# KiCad board chastity.kicad_pcb (continued)
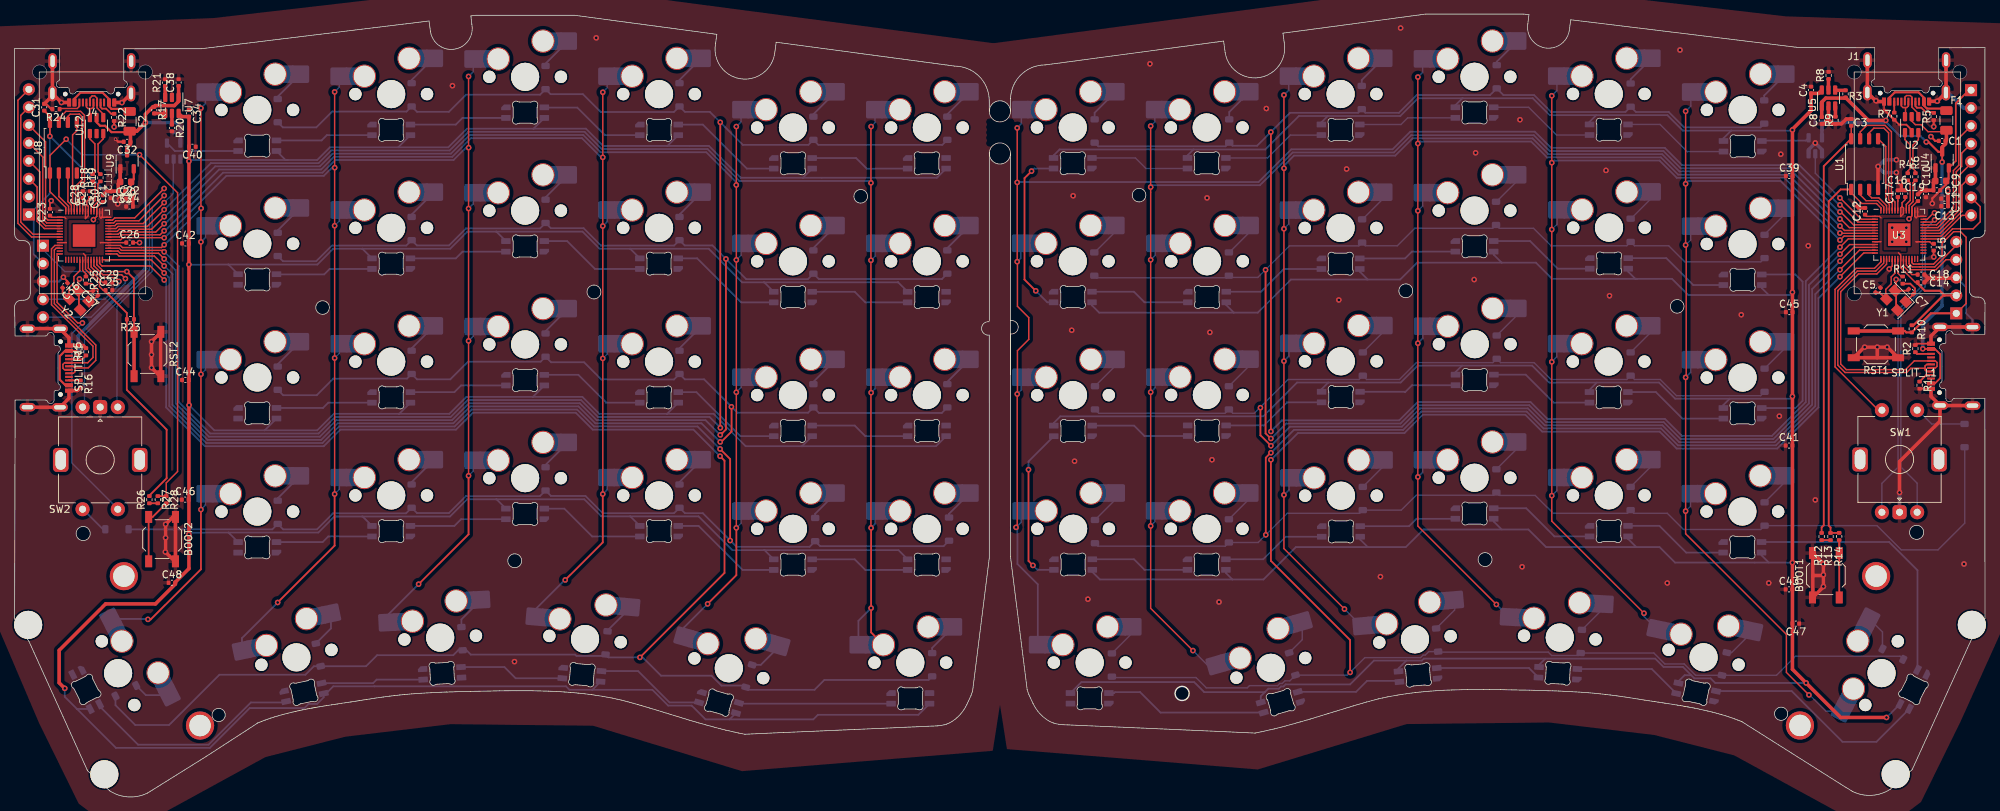
[diagram p0: board, top side]
## Routing (per net, layer and track width the routed paths; a pad name or vN(x,y) marks a point on that pad's centre or on a via; arc(x,y) is an arc through that point) (continued)
Q_CLK: length 17
  Top w0.2: U8.6 7.56,96.66 7.88,96.99 9.2,96.99 9.52,96.66 9.52,87.61 8.66,86.75 8.66,84.6 8.86,84.4 U10.52
Q_CLK_L: length 15.4
  Top w0.2: 263.12,93.49 263.12,94.33 263.78,94.99 265.22,94.99 265.88,94.33 265.88,84.84 266.39,84.33 U3.52
Q_IO0: length 13
  Top w0.2: U10.53 8.46,84.23 8.23,84.46 8.23,94.03 8.83,94.63 U8.5
Q_IO0_L: length 10.9
  Top w0.2: U3.53 265.99,84.17 265.48,84.67 265.48,92.4 U1.5
Q_IO1: length 6
  Top w0.2: U10.55 7.66,83.9 6.28,85.28 6.28,88.62 U8.2
Q_IO1_L: length 5.3
  Top w0.2: U1.2 261.85,85.53 262.68,84.69 264.33,84.69 265.19,83.84 U3.55
Q_IO2: length 5.7
  Top w0.2: U8.3 7.56,84.57 8.06,84.07 U10.54
Q_IO2_L: length 4.6
  Top w0.2: U3.54 265.59,84 264.5,85.09 263.48,85.09 263.12,85.46 263.12,86.29
Q_IO3: length 18.9
  Top w0.2: U10.51 9.26,84.57 9.06,84.76 9.06,86.58 9.92,87.44 9.92,96.83 9.36,97.39 7.28,97.39 6.29,96.39 U8.7
Q_IO3_L: length 17.6
  Top w0.2: U1.7 261.85,94.46 262.78,95.39 265.38,95.39 266.28,94.49 266.28,85.01 266.79,84.5 U3.51
Q_SEL: length 76
  Top w0.2: R28.1 21.52,44.63 23.12,46.23 23.12,85.83 v1(17.72,91.23) ; v1(7.32,93.43) 5.02,91.12 U8.1 5.02,85.98 7.26,83.74 U10.56
  Top w0.25: R27.1 R28.1
  Bottom w0.2: v1(7.32,93.43) 9.52,91.23 v1(17.72,91.23)
Q_SEL_L: length 58.3
  Top w0.2: U1.1 260.58,85.8 262.08,84.29 264.17,84.29 264.79,83.67 U3.56
  Top w0.25: R14.1 258.86,37.5 R13.1 257.64,38.28 257.38,38.54 257.38,84.59 259.08,86.29 U1.1
RESET: length 34.4
  Top w0.2: v1(15.92,74.63) 12.64,74.63 11.66,75.6 U10.26
  Top w0.25: RST2.2 16.95,67.2 16.95,67.2 R23.1 16.92,67.87 16.92,73.63 v1(15.92,74.63)
  Top w0.5: RST2.2 RST2.2
  Bottom w0.2: v1(15.92,74.63) 7.12,74.63 4.02,77.73 J5.1
RESET_L: length 38.7
  Top w0.2: U3.26 269.19,75.9 269.4,75.69 270.19,75.69 270.19,75.69 272.27,75.69 273.48,76.9 273.48,78.69 273.65,78.87 273.68,78.87 275.11,80.29 276.08,80.29 276.88,79.49 276.88,70.09 J2.1
  Top w0.3: RST1.1 268.18,66.19 268.39,65.98 R10.1 271.88,68.69 J2.1
  Top w0.5: RST1.1 RST1.1
rot A: length 42.4
  Top w0.2: U10.40 14.06,81.54 14.36,81.84 17.65,81.84 21.22,85.42 v1(21.22,85.43)
  Bottom w0.2: SW2.A 14.52,55.5 14.52,69.68 19.52,74.68 19.52,83.73 v1(21.22,85.43)
rot A_L: length 47.6
  Top w0.2: v1(272.4,82.97) 272.27,82.97 271.36,82.07 U3.41
  Bottom w0.2: v1(272.4,82.97) 272.26,82.97 270.68,81.39 270.68,72.66 267.23,69.2 267.23,46.84 264.93,44.54 SW1.A
rot B: length 45.6
  Top w0.2: U10.41 13.89,81.94 14.19,82.24 17.04,82.24 v1(21.22,86.43)
  Bottom w0.2: v1(21.22,86.43) 19.12,84.33 19.12,74.85 9.92,65.65 9.92,55.65 SW2.B
rot B_L: length 46.2
  Top w0.2: v1(272.4,81.97) 272.4,81.96 272.1,81.67 U3.40
  Bottom w0.2: SW1.B 269.93,44.56 267.63,46.87 267.63,69.04 271.08,72.49 271.08,80.64 272.4,81.95 v1(272.4,81.97)
row 0: length 259
  Top w0.2: v1(21.22,77.43) 21.01,77.64 21,77.64 15.14,77.64 14.84,77.94 U10.31
  Top w0.25: v1(100.14,52.44) 100.12,52.45 v1(100.12,95.83)
  Bottom w0.25: v1(100.14,52.44) 98.6,53.98 82.77,53.98 80.37,56.38 64.27,56.38 61.87,53.98 45.47,53.98 43.12,51.63 27.76,51.63 23.3,56.09 23.3,75.38 21.25,77.43 v1(21.22,77.43) ; D36.1 131.63,92.63 114.04,92.63 D35.1 112.63,92.63 103.32,92.63 v1(100.12,95.83) 98.64,97.31 95.11,97.31 D34.1 93.54,97.29 83.16,97.29 80.62,99.83 76.04,99.83 D33.1 74.56,99.76 64.05,99.76 61.61,97.32 57.1,97.32 D32.1 55.6,97.35 45.05,97.35 42.8,95.11 38.06,95.11 D31.1
row 0_L: length 256.2
  Top w0.2: v1(258.98,78.1) 260.15,79.27 U3.9
  Top w0.25: v1(178.23,94.44) 178.25,94.43 v1(178.25,51.92)
  Bottom w0.25: D6.1 247.69,95.1 236.88,95.1 234.68,97.29 230.03,97.29 D5.1 228.53,97.29 217.98,97.29 215.58,99.69 211.23,99.69 D4.1 209.33,99.69 198.93,99.69 196.41,97.17 191.65,97.17 D3.1 190.61,97.17 180.96,97.17 176.28,92.49 172.78,92.49 D2.1 171.81,92.42 153.76,92.42 D1.1 ; v1(178.25,51.92) 179.82,53.49 196.45,53.49 199.05,56.09 215.08,56.09 217.48,53.69 234.16,53.69 236.56,51.29 249.34,51.29 254.13,56.09 254.13,73.27 258.96,78.1 v1(258.98,78.1)
row 1: length 241.1
  Top w0.2: v1(21.22,76.43) 20.42,77.23 14.99,77.23 14.68,77.54 U10.30
  Top w0.25: v1(100.12,51.43) 100.4,51.7 100.42,51.7 100.92,52.2 v1(100.92,76.43)
  Bottom w0.25: v1(100.12,51.43) 98.02,53.53 82.59,53.53 80.18,55.93 64.46,55.93 62.06,53.53 45.66,53.53 43.31,51.18 27.57,51.18 22.85,55.9 22.85,74.83 21.25,76.43 v1(21.22,76.43) ; D37.1 38.07,76.1 42.79,76.1 45.02,78.32 55.57,78.32 D38.1 57.08,78.34 61.64,78.34 64.05,80.75 74.55,80.75 D39.1 76.08,80.78 80.73,80.78 83.19,78.32 93.57,78.32 D40.1 95.08,78.34 99.01,78.34 v1(100.92,76.43) 103.8,73.55 112.55,73.55 D41.1 114.09,73.57 131.57,73.57 D42.1
row 1_L: length 237
  Top w0.2: v1(258.98,77.09) 260.35,78.47 U3.11
  Top w0.25: v1(178.25,50.92) 178.22,50.92 177.48,51.65 v1(177.48,74.87)
  Bottom w0.2: D7.1 153.48,73.75 171.99,73.75 D8.1 172.53,73.79 176.38,73.79 180.86,78.28 190.71,78.28 D9.1 191.63,78.29 196.18,78.29 198.66,80.77 209.71,80.77 D10.1 210.65,80.77 215.5,80.77 217.98,78.29 228.73,78.29 D11.1 229.83,78.29 234.68,78.29 236.97,76.01 247.75,76.01 D12.1
  Bottom w0.25: v1(258.98,77.09) 258.96,77.09 254.58,72.72 254.58,55.9 249.52,50.84 236.37,50.84 233.97,53.24 217.3,53.24 214.9,55.64 199.23,55.64 196.63,53.04 180.4,53.04 178.27,50.92 v1(178.25,50.92)
row 2: length 221.6
  Top w0.2: U10.29 14.51,77.14 14.82,76.83 19.82,76.83 v1(21.22,75.43)
  Top w0.25: v1(100.12,50.43) 100.24,50.43 101.72,51.91 101.72,55.41 v1(101.7,55.43)
  Bottom w0.25: D48.1 131.55,54.55 114.12,54.55 D47.1 112.58,54.58 102.55,54.58 v1(101.7,55.43) 101.7,55.45 97.83,59.32 95.1,59.32 D46.1 93.55,59.3 83.25,59.3 80.8,61.75 76.12,61.75 D45.1 74.63,61.83 64.32,61.83 61.82,59.32 57.1,59.32 D44.1 55.68,59.43 45.22,59.43 42.87,57.07 38.1,57.07 D43.1 ; v1(100.12,50.43) 100.1,50.43 97.45,53.08 82.4,53.08 80,55.48 64.65,55.48 62.25,53.08 45.85,53.08 43.5,50.73 27.39,50.73 22.4,55.71 22.4,74.28 21.25,75.43 v1(21.22,75.43)
row 2_L: length 219.2
  Top w0.2: v1(258.98,76.09) 260.95,78.07 U3.12
  Top w0.25: v1(176.76,55.29) 176.76,51.38 v1(178.25,49.89)
  Bottom w0.2: D18.1 247.73,56.99 235.78,56.99 233.48,59.29 229.83,59.29 D17.1 228.73,59.29 217.98,59.29 215.58,61.69 210.83,61.69 D16.1 209.73,61.69 198.88,61.69 196.48,59.29 191.83,59.29 D15.1 190.73,59.29 180.68,59.29 175.88,54.49 172.83,54.49 D14.1 171.73,54.49 153.83,54.49 D13.1
  Bottom w0.25: v1(258.98,76.09) 255.03,72.14 255.03,55.72 249.71,50.39 236.18,50.39 233.78,52.79 217.11,52.79 214.71,55.19 199.42,55.19 196.82,52.59 180.95,52.59 178.25,49.89 v1(178.25,49.89)
row 3: length 251.8
  Top w0.2: v1(21.22,74.43) 19.35,76.3 U10.28
  Top w0.25: v1(101.52,36.43) 101.52,48 v1(100.09,49.43)
  Bottom w0.25: v1(100.09,49.43) 96.9,52.63 82.21,52.63 79.81,55.03 64.83,55.03 62.43,52.63 46.03,52.63 43.68,50.28 27.2,50.28 21.95,55.53 21.95,73.73 21.25,74.43 v1(21.22,74.43) ; D54.1 131.81,35.63 114.29,35.63 D53.1 112.79,35.54 102.41,35.54 v1(101.52,36.43) 97.64,40.31 95.11,40.31 D52.1 93.56,40.31 83.44,40.31 80.99,42.76 76.11,42.76 D51.1 74.53,42.73 64.03,42.73 61.62,40.33 57.09,40.33 D50.1 55.54,40.29 45.19,40.29 42.91,38.01 38.11,38.01 D49.1 36.56,38.01 16.19,38.01 16.17,38.03
row 3_L: length 266.2
  Top w0.2: U3.13 261.75,77.67 v1(258.98,74.89)
  Top w0.25: v1(178.25,48.89) 178.22,48.89 177.52,48.19 v1(177.52,37.23)
  Bottom w0.2: D19.1 153.71,35.62 171.76,35.62 D20.1 176.43,36.14 180.58,40.29 190.83,40.29 D21.1 196.73,40.74 198.85,42.86 209.85,42.86 D22.1 210.64,42.83 215.74,42.83 218.28,40.29 228.83,40.29 D23.1 229.73,40.29 234.48,40.29 236.78,37.99 247.73,37.99 D24.1 264.23,38.54 267.68,35.09 272.88,35.09 276.68,38.89 276.68,49.65 D61.1
  Bottom w0.25: v1(178.25,48.89) 178.27,48.89 181.52,52.14 197.01,52.14 199.61,54.74 214.52,54.74 216.92,52.34 233.6,52.34 236,49.94 249.9,49.94 255.48,55.53 255.48,71.42 258.96,74.89 v1(258.98,74.89)
row 4: length 274.1
  Top w0.2: U10.27 12.06,75.77 12.4,75.43 19.23,75.43 v1(21.22,73.43)
  Top w0.25: v1(88.72,19.83) 100.72,31.83 100.72,47.77 v1(100.1,48.4)
  Bottom w0.25: D55.1 14.31,13.04 17.12,10.23 21.92,10.23 29.06,17.37 41.26,17.37 42.47,18.57 D56.1 49.87,18.57 51.43,20.14 62.23,20.14 62.93,20.84 D57.1 64.11,20.84 64.72,20.23 79.53,20.23 79.72,20.04 83.64,20.04 D58.1 84.25,19.83 v1(88.72,19.83) 89.12,19.83 91.72,17.23 98.88,17.23 100.28,15.83 103.5,15.83 D59.1 104.1,15.23 113.49,15.23 114.89,16.63 129.68,16.63 D60.1 ; v1(21.22,73.43) 21.5,73.15 21.5,55.34 27.01,49.83 43.87,49.83 46.22,52.18 62.62,52.18 65.02,54.58 79.63,54.58 82.03,52.18 96.32,52.18 v1(100.1,48.4)
row 4_L: length 263.9
  Top w0.2: U3.14 262.35,77.27 v1(258.98,73.89)
  Top w0.25: v1(189.48,17.69) 189.48,22.29 178.24,33.53 v1(178.24,47.89)
  Bottom w0.2: D25.1 155.81,16.96 167.61,16.96 169.08,15.49 174.88,15.49 175.2,15.81 179.2,15.81 179.51,16.12 179.86,16.12 180.23,16.49 180.92,16.49 D26.1 189.1,17.31 191.58,19.79 199.48,19.79 199.84,20.16 200.15,20.16 200.64,20.65 D27.1 202.05,20.58 217.59,20.58 218.08,20.09 221.85,20.09 D28.1 232.58,20.45 234.13,18.89 236.88,18.89 238.5,17.28 D29.1 249.97,17.28 252.68,19.99 267.5,19.99 D30.1
  Bottom w0.25: 178.24,47.96 v1(178.24,47.89) 178.27,47.89 182.07,51.69 197.19,51.69 199.79,54.29 214.34,54.29 216.74,51.89 233.41,51.89 235.81,49.49 250.08,49.49 255.93,55.34 255.93,70.84 v1(258.98,73.89)
rst: length 23
  Top w0.2: U10.7 2.59,79.94 0.87,81.66 0.87,96.82 J6.7
rst_L: length 13.1
  Top w0.2: U3.34 273.52,79.27 274.95,80.69 277.88,80.69 278.88,81.69 278.88,83.85 J3.7
SK6803_EN: length 1.6
  Top w0.5: R21.1 21.36,99.38 U7.3
SK6803_EN_L: length 1.5
  Top w0.5: U5.3 258.34,98.1 R9.1
SK6803_NFAULT: length 1.6
  Top w0.5: R17.2 19.82,97.09 U7.4
SK6803_NFAULT_L: length 1.5
  Top w0.5: U5.4 258.34,100.37 R3.1
Split_5v5_L: length 153.9
  Top w0.2: U2.5 269.16,96.02 269.68,95.49 270.48,95.49 271.48,94.49 273.88,94.49 F1.2
  Top w0.25: SPLIT_L1.A4 272.45,58.74 273.2,59.49 273.2,62.89 272.45,63.64 SPLIT_L1.A9 270.76,63.64 v1(270.73,63.66) ; SPLIT_R1.A4 8.68,63.37 v1(9.03,63.03) ; v1(273.48,90.18) U4.3
  Top w0.3: SPLIT_R1.A4 7.16,63.37 6.41,62.62 6.41,59.28 7.22,58.47 SPLIT_R1.A9 ; F2.2 16.19,94.43 13.75,94.43 12.84,95.34 12.14,95.34 11.63,95.84 U12.5 ; U4.3 272.95,91.63 271.54,93.04 v1(271.23,93.04)
  Top w0.5: U4.3 273.48,92.29 273.96,92.77 C1.1 274.08,93.31 F1.2 ; C8.1 256.4,96.57 U5.1 256.4,98.7 256.97,99.27 259.69,99.27 R3.2 263.02,96.09 v1(265.48,96.09) ; U9.3 15.96,92.26 16.44,92.74 C32.1 16.44,94.45 F2.2 17.34,94.56 v1(18.56,95.79) 18.56,96.97 19.63,98.04 R17.1 19.97,98.2 22.67,98.2 23.27,98.8 U7.1 23.27,100.99 C38.1
  Bottom w0.3: v1(271.23,93.04) 270.37,93.89 267.48,93.89 265.48,95.89 v1(265.48,96.09)
  Bottom w0.5: v1(273.48,90.18) 273.46,90.16 273.46,69.77 270.73,67.04 v1(270.73,63.66) ; U11.5 23.52,92.88 23.52,95.23 22.96,95.79 v1(18.56,95.79) 18.57,95.78 18.57,75.08 9.03,65.53 v1(9.03,63.03) ; v1(265.48,96.09) 265.18,95.79 C6.2 256.43,94.78 256.43,94.77 256.43,93.64 U6.5 256.47,93.59
SWC: length 18
  Top w0.2: U10.24 10.86,75.27 12.37,73.76 14.27,73.76 v1(14.81,73.23)
  Bottom w0.2: v1(14.81,73.23) 14.81,72.71 12.78,70.69 J5.4
SWC_L: length 8.8
  Top w0.2: J2.4 274.02,76.31 272.6,74.89 270.52,74.89 270.52,74.89 269.07,74.89 268.39,75.56 U3.24
SWD: length 20.4
  Top w0.2: v1(15.72,73.63) 15.19,74.16 12.53,74.16 11.26,75.44 U10.25
  Bottom w0.2: J5.5 10.84,68.15 15.72,73.03 v1(15.72,73.63)
SWD_L: length 9.4
  Top w0.2: U3.25 268.79,75.73 269.23,75.29 270.35,75.29 270.36,75.29 272.44,75.29 275.48,78.34 J2.5
XIN: length 8.3
  Top w0.2: U10.20 9.26,74.76 8.41,73.92 8.41,73.02 7.72,72.33 7.72,70.82 7.86,70.69
  Top w0.25: C36.2 6.82,71.66 Y2.3
XIN_L: length 8.3
  Top w0.2: U3.20 266.79,74.4 266.25,73.86 266.25,72.86 265.48,72.09 265.48,70.78 Y1.3
  Top w0.25: C5.2 264.6,71.65 Y1.3 265.53,70.73
XOUT: length 2.6
  Top w0.2: R25.1 10.12,74.31 9.66,74.78 U10.21
XOUT_L: length 2.9
  Top w0.2: U3.21 267.19,74.4 267.67,73.93 R11.1
Net-(BOOT1-Pad2): length 8.2
  Top w0.25: BOOT1.2 BOOT1.2
  Top w0.3: BOOT1.2 258.88,36.48 R14.2
Net-(BOOT2-Pad2): length 9.6
  Top w0.25: 19.02,39.78 19.01,39.78 ; 19.02,39.78 19.02,33.48 ; 19.02,39.78 19.58,39.78 R28.2
Net-(C7-Pad1): length 4.5
  Top w0.25: Y1.1 269.41,71.41 C7.1 269.63,71.66 269.63,72.24 268.96,72.91 R11.2
Net-(C37-Pad1): length 4.6
  Top w0.2: Y2.1 10.98,70.39 C37.1 11.81,72.08 10.98,72.92 R25.2
Net-(D1-A): length 5.2
  Bottom w0.25: MX1.2 153.23,97.18 D1.2
Net-(D2-A): length 5.1
  Bottom w0.25: D2.2 172.33,97.28 MX2.2
Net-(D3-A): length 5.2
  Bottom w0.25: D3.2 191.13,101.83 MX3.2
Net-(D4-A): length 4.6
  Bottom w0.25: MX4.2 210.28,104.43 D4.2
Net-(D5-A): length 4.8
  Bottom w0.25: D5.2 229.28,101.94 MX5.2
Net-(D6-A): length 5
  Bottom w0.25: MX6.2 248.23,99.63 D6.2
Net-(D7-A): length 5.1
  Bottom w0.2: MX7.2 156.22,80.33 153.23,77.34 D7.2
Net-(D8-A): length 5.1
  Bottom w0.2: D8.2 172.33,77.34 175.27,80.28 MX8.2
Net-(D9-A): length 5.1
  Bottom w0.2: D9.2 191.23,82.04 194.22,85.03 MX9.2
Net-(D10-A): length 5.1
  Bottom w0.2: D10.2 210.23,84.54 213.22,87.53 MX10.2
Net-(D11-A): length 5.1
  Bottom w0.2: D11.2 229.33,82.14 232.3,85.11 MX11.2
Net-(D12-A): length 5
  Bottom w0.2: D12.2 248.28,79.89 251.25,82.86 MX12.2
Net-(D13-A): length 5
  Bottom w0.2: MX13.2 156.25,61.31 D13.2
Net-(D14-A): length 5.1
  Bottom w0.2: MX14.2 175.25,61.31 D14.2
Net-(D15-A): length 5.1
  Bottom w0.2: D15.2 194.25,66.11 MX15.2
Net-(D16-A): length 5.1
  Bottom w0.2: D16.2 213.25,68.51 MX16.2
Net-(D17-A): length 5
  Bottom w0.2: MX17.2 232.25,66.11 D17.2
Net-(D18-A): length 5
  Bottom w0.2: D18.2 251.25,63.81 MX18.2
Net-(D19-A): length 5.1
  Bottom w0.2: D19.2 156.27,42.33 MX19.2
Net-(D20-A): length 4.9
  Bottom w0.2: MX20.2 175.22,42.38 D20.2
Net-(D21-A): length 5.1
  Bottom w0.2: MX21.2 194.27,47.03 D21.2
Net-(D22-A): length 5.1
  Bottom w0.2: D22.2 213.22,49.53 MX22.2
Net-(D23-A): length 5.1
  Bottom w0.2: MX23.2 232.27,47.03 D23.2
Net-(D24-A): length 5
  Bottom w0.2: MX24.2 251.22,44.78 D24.2
Net-(D25-A): length 5
  Bottom w0.2: D25.2 158.62,23.33 MX25.2
Net-(D26-A): length 5.2
  Bottom w0.2: D26.2 182.69,22.34 MX26.2
Net-(D27-A): length 5.1
  Bottom w0.2: MX27.2 204.31,26.56 D27.2
Net-(D28-A): length 5
  Bottom w0.2: MX28.2 225.58,26.95 D28.2
Net-(D29-A): length 5
  Bottom w0.2: D29.2 243.61,20.51 MX29.2
Net-(D30-A): length 5.1
  Bottom w0.2: MX30.2 265.01,23.44 D30.2
Net-(D31-A): length 4.9
  Bottom w0.25: D31.2 37.33,99.47 MX31.2
Net-(D32-A): length 4.9
  Bottom w0.25: D32.2 56.32,101.4 56.32,101.83 59.41,104.91 MX32.2
Net-(D33-A): length 4.9
  Bottom w0.25: D33.2 75.33,104.17 MX33.2
Net-(D34-A): length 4.9
  Bottom w0.25: D34.2 94.33,101.84 97.41,104.91 MX34.2
Net-(D35-A): length 4.9
  Bottom w0.25: D35.2 113.33,96.97 MX35.2
Net-(D36-A): length 4.9
  Bottom w0.25: MX36.2 132.33,96.97 D36.2
Net-(D37-A): length 4.9
  Bottom w0.25: MX37.2 37.33,80.47 D37.2
Net-(D38-A): length 4.9
  Bottom w0.25: MX38.2 56.33,82.72 D38.2
Net-(D39-A): length 4.9
  Bottom w0.25: D39.2 75.33,85.17 MX39.2
Net-(D40-A): length 4.9
  Bottom w0.25: D40.2 94.33,82.72 MX40.2
Net-(D41-A): length 4.9
  Bottom w0.25: D41.2 113.33,77.97 MX41.2
Net-(D42-A): length 4.9
  Bottom w0.25: D42.2 132.33,77.97 MX42.2
Net-(D43-A): length 4.9
  Bottom w0.25: MX43.2 37.33,61.47 D43.2
Net-(D44-A): length 4.9
  Bottom w0.25: D44.2 56.33,63.72 MX44.2
Net-(D45-A): length 4.9
  Bottom w0.25: D45.2 75.33,66.17 MX45.2
Net-(D46-A): length 4.9
  Bottom w0.25: MX46.2 94.33,63.72 D46.2
Net-(D47-A): length 4.9
  Bottom w0.25: D47.2 113.33,58.97 MX47.2
Net-(D48-A): length 4.9
  Bottom w0.25: D48.2 132.33,58.97 MX48.2
Net-(D49-A): length 4.9
  Bottom w0.25: D49.2 37.33,42.42 MX49.2
Net-(D50-A): length 4.9
  Bottom w0.25: MX50.2 56.33,44.72 D50.2
Net-(D51-A): length 4.9
  Bottom w0.25: MX51.2 75.33,47.17 D51.2
Net-(D52-A): length 4.9
  Bottom w0.25: D52.2 94.33,44.72 MX52.2
Net-(D53-A): length 4.7
  Bottom w0.25: MX53.2 113.59,40.23 D53.2
Net-(D54-A): length 4.7
  Bottom w0.25: D54.2 132.58,40.22 MX54.2
Net-(D55-A): length 5.3
  Bottom w0.25: D55.2 18.62,14.46 MX55.2
Net-(D56-A): length 5.2
  Bottom w0.25: D56.2 44.88,23.94 MX56.2
Net-(D57-A): length 5.1
  Bottom w0.25: MX57.2 63.4,25.22 D57.2
Net-(D58-A): length 4.8
  Bottom w0.25: D58.2 84.13,23.65 MX58.2
Net-(D59-A): length 5.1
  Bottom w0.25: MX59.2 105.87,18.77 D59.2
Net-(D60-A): length 5
  Bottom w0.25: D60.2 130.18,21.17 MX60.2
Net-(D61-A): length 7.5
  Bottom w0.2: SW1.S1 270.03,54.94 272,52.98 D61.2
Net-(D62-A): length 4.4
  Bottom w0.25: SW2.S1 9.69,40.88 12.54,38.03 D62.2
Net-(J1-CC1): length 3.6
  Top w0.25: 272.28,97.17 272.16,97.29 271.14,97.29 270.53,97.9 269.91,97.9 269.69,98.12 J1.A5
Net-(J1-CC2): length 1.6
  Top w0.25: R7.1 266.68,98.19 266.69,98.2 J1.B5
Net-(J4-CC1): length 3
  Top w0.25: R22.1 13.71,97.04 12.99,97.76 12.41,97.76 12.19,97.98 J4.A5
Net-(J4-CC2): length 3.5
  Top w0.2: R24.1 6.47,97.79 8.89,97.79 9.06,97.96 9.06,97.97 9.19,98.1 J4.B5
Net-(LED1-DIN): length 14.2
  Bottom w0.2: LED1.3 159.01,90.76 160.51,89.26 LED2.2
Net-(LED1-DOUT): length 24.6
  Top w0.25: v1(144.28,88.89) 143.28,87.89 143.28,73.49 v1(144.88,71.89)
  Bottom w0.25: v1(144.28,88.89) 144.65,89.26 LED1.2 ; LED7.3 146.51,70.26 v1(144.88,71.89)
Net-(LED2-DIN): length 14.9
  Bottom w0.2: LED2.3 177.75,90.76 181,94.01 LED3.2
Net-(LED3-DIN): length 13.9
  Bottom w0.2: 190.86,95.51 196.7,95.51 197.65,96.46 LED4.2
Net-(LED4-DIN): length 15.2
  Bottom w0.2: LED5.2 218.75,94.02 214.81,97.96 209.86,97.96
Net-(LED5-DIN): length 15.1
  Bottom w0.2: LED6.2 237.3,91.67 233.45,95.52 LED5.3
Net-(LED7-DOUT): length 14.2
  Bottom w0.25: LED8.3 160.31,70.26 158.81,71.76 LED7.2
Net-(LED8-DOUT): length 14.8
  Bottom w0.25: LED9.3 180.08,74.99 176.85,71.76 LED8.2
Net-(LED10-DIN): length 14
  Bottom w0.25: LED10.3 198.25,77.46 197.28,76.49 190.86,76.49
Net-(LED10-DOUT): length 15.3
  Bottom w0.25: 209.86,78.96 215.01,78.96 218.94,75.03 223.49,75.03
Net-(LED11-DOUT): length 15.1
  Bottom w0.25: LED11.2 234.34,76.53 238.16,72.71 LED12.3
Net-(LED12-DOUT): length 29.4
  Bottom w0.25: LED18.3 252.65,55.24 253.68,56.28 253.68,73.19 252.66,74.21 LED12.2
Net-(LED13-DIN): length 14.2
  Bottom w0.25: 152.89,52.74 158.83,52.74 160.3,51.27 LED14.2
Net-(LED13-DOUT): length 23.3
  Top w0.25: v1(144.48,32.89) 143.85,33.52 v1(143.85,46.49)
  Bottom w0.25: LED19.3 145.11,32.26 v1(144.48,32.89) ; v1(143.85,46.49) 143.85,47.66 LED13.2
Net-(LED14-DIN): length 14.9
  Bottom w0.25: 171.89,52.77 177.26,52.77 180.54,56.05 LED15.2
Net-(LED15-DIN): length 14
  Bottom w0.25: LED16.2 198.27,58.48 197.28,57.49 197.22,57.55 LED15.3
Net-(LED16-DIN): length 15.2
  Bottom w0.25: LED16.3 214.39,59.98 218.36,56.01 LED17.2
Net-(LED17-DIN): length 15.1
  Bottom w0.25: LED17.3 232.86,57.51 236.63,53.74 LED18.2
Net-(LED19-DOUT): length 14.1
  Bottom w0.25: LED19.2 158.81,33.76 160.31,32.26 LED20.3
Net-(LED20-DOUT): length 14.9
  Bottom w0.25: LED20.2 177.15,33.76 180.35,36.96 LED21.3
Net-(LED21-DOUT): length 13.9
  Bottom w0.25: LED21.2 197.85,38.46 198.9,39.51 LED22.3
Net-(LED22-DOUT): length 15.3
  Bottom w0.25: 209.86,41.01 214.46,41.01 218.46,37.01 LED23.3
Net-(LED23-DOUT): length 15.1
  Bottom w0.25: LED23.2 233.36,38.51 237.16,34.71 LED24.3
Net-(LED24-DOUT): length 37.9
  Bottom w0.25: LED30.3 269.98,32.2 265.96,36.21 LED24.2
Net-(LED25-DIN): length 23.2
  Bottom w0.25: LED26.2 162.59,11.99 159.68,14.89 156.14,14.89 156.01,14.76 LED25.3
Net-(LED26-DIN): length 15.1
  Bottom w0.25: LED26.3 190.32,14.93 191.88,16.49 196.33,16.49 LED27.2
Net-(LED27-DIN): length 15
  Bottom w0.25: LED28.2 214.85,18.32 LED27.3
Net-(LED28-DIN): length 15.5
  Bottom w0.25: LED29.2 232.29,18.18 LED28.3
Net-(LED29-DIN): length 32.4
  Bottom w0.25: LED30.2 264.15,7.83 259.35,7.83 252.14,15.04 LED29.3
Net-(LED31-DOUT): length 13.9
  Bottom w0.25: LED31.2 43.55,93.25 44.3,94 LED32.3
Net-(LED32-DOUT): length 13.9
  Bottom w0.25: LED33.3 63.55,96.45 62.6,95.5 LED32.2
Net-(LED33-DOUT): length 15.2
  Bottom w0.25: LED34.3 83.74,94 79.83,97.92 75.2,97.92 LED33.2
Net-(LED34-DOUT): length 16.1
  Bottom w0.25: LED35.3 103.89,89.25 97.65,95.5 94.17,95.5 LED34.2
Net-(LED35-DOUT): length 14.2
  Bottom w0.25: LED35.2 119.39,90.75 120.89,89.25 LED36.3
Net-(LED37-DIN): length 13.9
  Bottom w0.25: LED38.2 44.7,75 43.92,74.23 37.19,74.23 LED37.3
Net-(LED38-DIN): length 13.9
  Bottom w0.25: LED38.3 62.6,76.5 63.55,77.45 LED39.2
Net-(LED39-DIN): length 15.2
  Bottom w0.25: LED40.2 82.34,75 78.39,78.95 LED39.3
Net-(LED40-DIN): length 16.1
  Bottom w0.25: LED40.3 96.84,76.5 103.09,70.25 LED41.2
Net-(LED41-DIN): length 14.2
  Bottom w0.25: LED42.2 120.69,70.25 119.19,71.75 LED41.3
Net-(LED43-DOUT): length 13.9
  Bottom w0.25: LED44.3 44.5,56 43.75,55.25 LED43.2
Net-(LED44-DOUT): length 13.9
  Bottom w0.25: LED45.3 63.35,58.45 62.4,57.5 LED44.2
Net-(LED45-DOUT): length 15.2
  Bottom w0.25: LED45.2 75.17,59.96 79.99,59.96 83.94,56 LED46.3
Net-(LED46-DOUT): length 16.1
  Bottom w0.25: LED47.3 102.98,51.25 96.73,57.5 LED46.2
Net-(LED47-DOUT): length 14.2
  Bottom w0.25: LED48.3 120.69,51.25 119.19,52.75 LED47.2
Net-(LED49-DIN): length 13.9
  Bottom w0.25: LED50.2 44.5,37 43.7,36.2 LED49.3
Net-(LED50-DIN): length 13.9
  Bottom w0.25: LED51.2 63.35,39.45 62.4,38.5 LED50.3
Net-(LED51-DIN): length 15.2
  Bottom w0.25: LED51.3 77.99,40.95 81.94,37 LED52.2
Net-(LED52-DIN): length 16.1
  Bottom w0.25: LED53.2 103.29,32.25 97.04,38.5 LED52.3
Net-(LED53-DIN): length 14.2
  Bottom w0.25: LED54.2 120.69,32.25 119.19,33.75 LED53.3
Net-(LED55-DOUT): length 31.6
  Bottom w0.25: LED56.3 38.39,13.43 33.52,13.43 27.52,7.43 17.52,7.43 12.06,12.89 LED55.2
Net-(LED56-DOUT): length 14.6
  Bottom w0.25: LED56.2 50.86,16.17 51.37,16.67 LED57.3
Net-(LED57-DOUT): length 15
  Bottom w0.25: LED57.2 69.5,18.45 71.09,16.86 LED58.3
Net-(LED58-DOUT): length 15.7
  Bottom w0.25: LED58.2 88.47,17.88 92.92,13.43 LED59.3
Net-(LED59-DOUT): length 21.6
  Bottom w0.25: LED60.3 102.88,13.25 LED59.2
Net-(R12-Pad1): length 1.3
  Top w0.25: R13.2 256.39,36.48 R12.1
Net-(R26-Pad1): length 1.2
  Top w0.25: R27.2 R26.1
Net-(SPLIT_L1-CC1): length 2
  Top w0.25: R1.1 271.22,59.94 SPLIT_L1.A5
Net-(SPLIT_L1-CC2): length 2.3
  Top w0.25: R2.1 269.92,62.94 SPLIT_L1.B5
Net-(SPLIT_R1-CC1): length 2.6
  Top w0.25: SPLIT_R1.A5 9.58,62.17 R15.1
Net-(SPLIT_R1-CC2): length 1.6
  Top w0.25: R16.1 SPLIT_R1.B5
Net-(U3-USB_DM): length 4.7
  Top w0.2: U3.46 268.79,84 269.35,84.56 269.35,87.25 R6.1
Net-(U3-USB_DP): length 4.7
  Top w0.2: U3.47 268.39,84.17 268.95,84.73 268.95,87.23 R4.1
Net-(U10-USB_DM): length 4.6
  Top w0.2: U10.46 11.26,84 11.82,84.56 11.82,87.09 R19.1
Net-(U10-USB_DP): length 4.7
  Top w0.2: R18.1 11.42,87.1 11.42,84.73 10.86,84.16 U10.47

## Copper pours and planes (outline as drawn; the poured copper is in the pictures)
+3V3 on Top: 273.83,85.61 273.81,83.47 271.49,83.51 271.49,82.26 270.17,82.27 270.2,77.08 264.6,77.08 264.6,82.68 267.4,82.68 268.39,82.66 269.39,82.66 269.38,83.98 270.68,83.98 270.69,85.62
+3V3 on Top: 16.3,85.48 16.29,83.34 13.97,83.37 13.96,82.13 12.64,82.14 12.67,76.95 7.07,76.95 7.07,82.55 9.87,82.55 10.87,82.53 11.87,82.53 11.85,83.85 13.16,83.85 13.16,85.49
GND on Top, Bottom: 142.57,30.8 142.12,106.63 79.39,114.92 65.3,114.92 28.26,110.64 -2.31,109.46 -2.28,64.86 -2.68,27.83 -2.48,24.46 3.49,10.46 9.09,-0.94 15.16,-5.52 35.6,5.67 46.94,8.56 61.84,10.34 82.08,10.12 103.2,3.67 138.79,6.56
GND on Top, Bottom: 137.01,31.04 137.46,106.87 200.19,115.16 214.28,115.16 251.32,110.88 281.88,109.89 282.65,65.12 282.68,28.09 282.48,24.89 276.08,10.69 270.48,-0.71 264.41,-5.28 243.98,5.91 232.64,8.8 217.74,10.58 197.5,10.36 176.37,3.91 140.79,6.8
(no net) on Top: 11.87,81.53 8.27,81.53 8.27,78.13 10.87,78.13 10.87,77.33 10.07,77.33 10.07,77.53 7.67,77.53 7.67,81.93 10.63,81.94 10.62,82.27 10.86,82.26 10.87,82.53 11.87,82.53
(no net) on Top: 269.39,81.66 265.79,81.66 265.79,78.26 268.39,78.26 268.39,77.46 267.59,77.46 267.59,77.66 265.19,77.66 265.19,82.06 268.15,82.07 268.15,82.4 268.39,82.39 268.39,82.66 269.39,82.66
